# Altium PCB Spektrop2_Processor_Board_V1.PcbDoc (part 4 of 5) (continued)
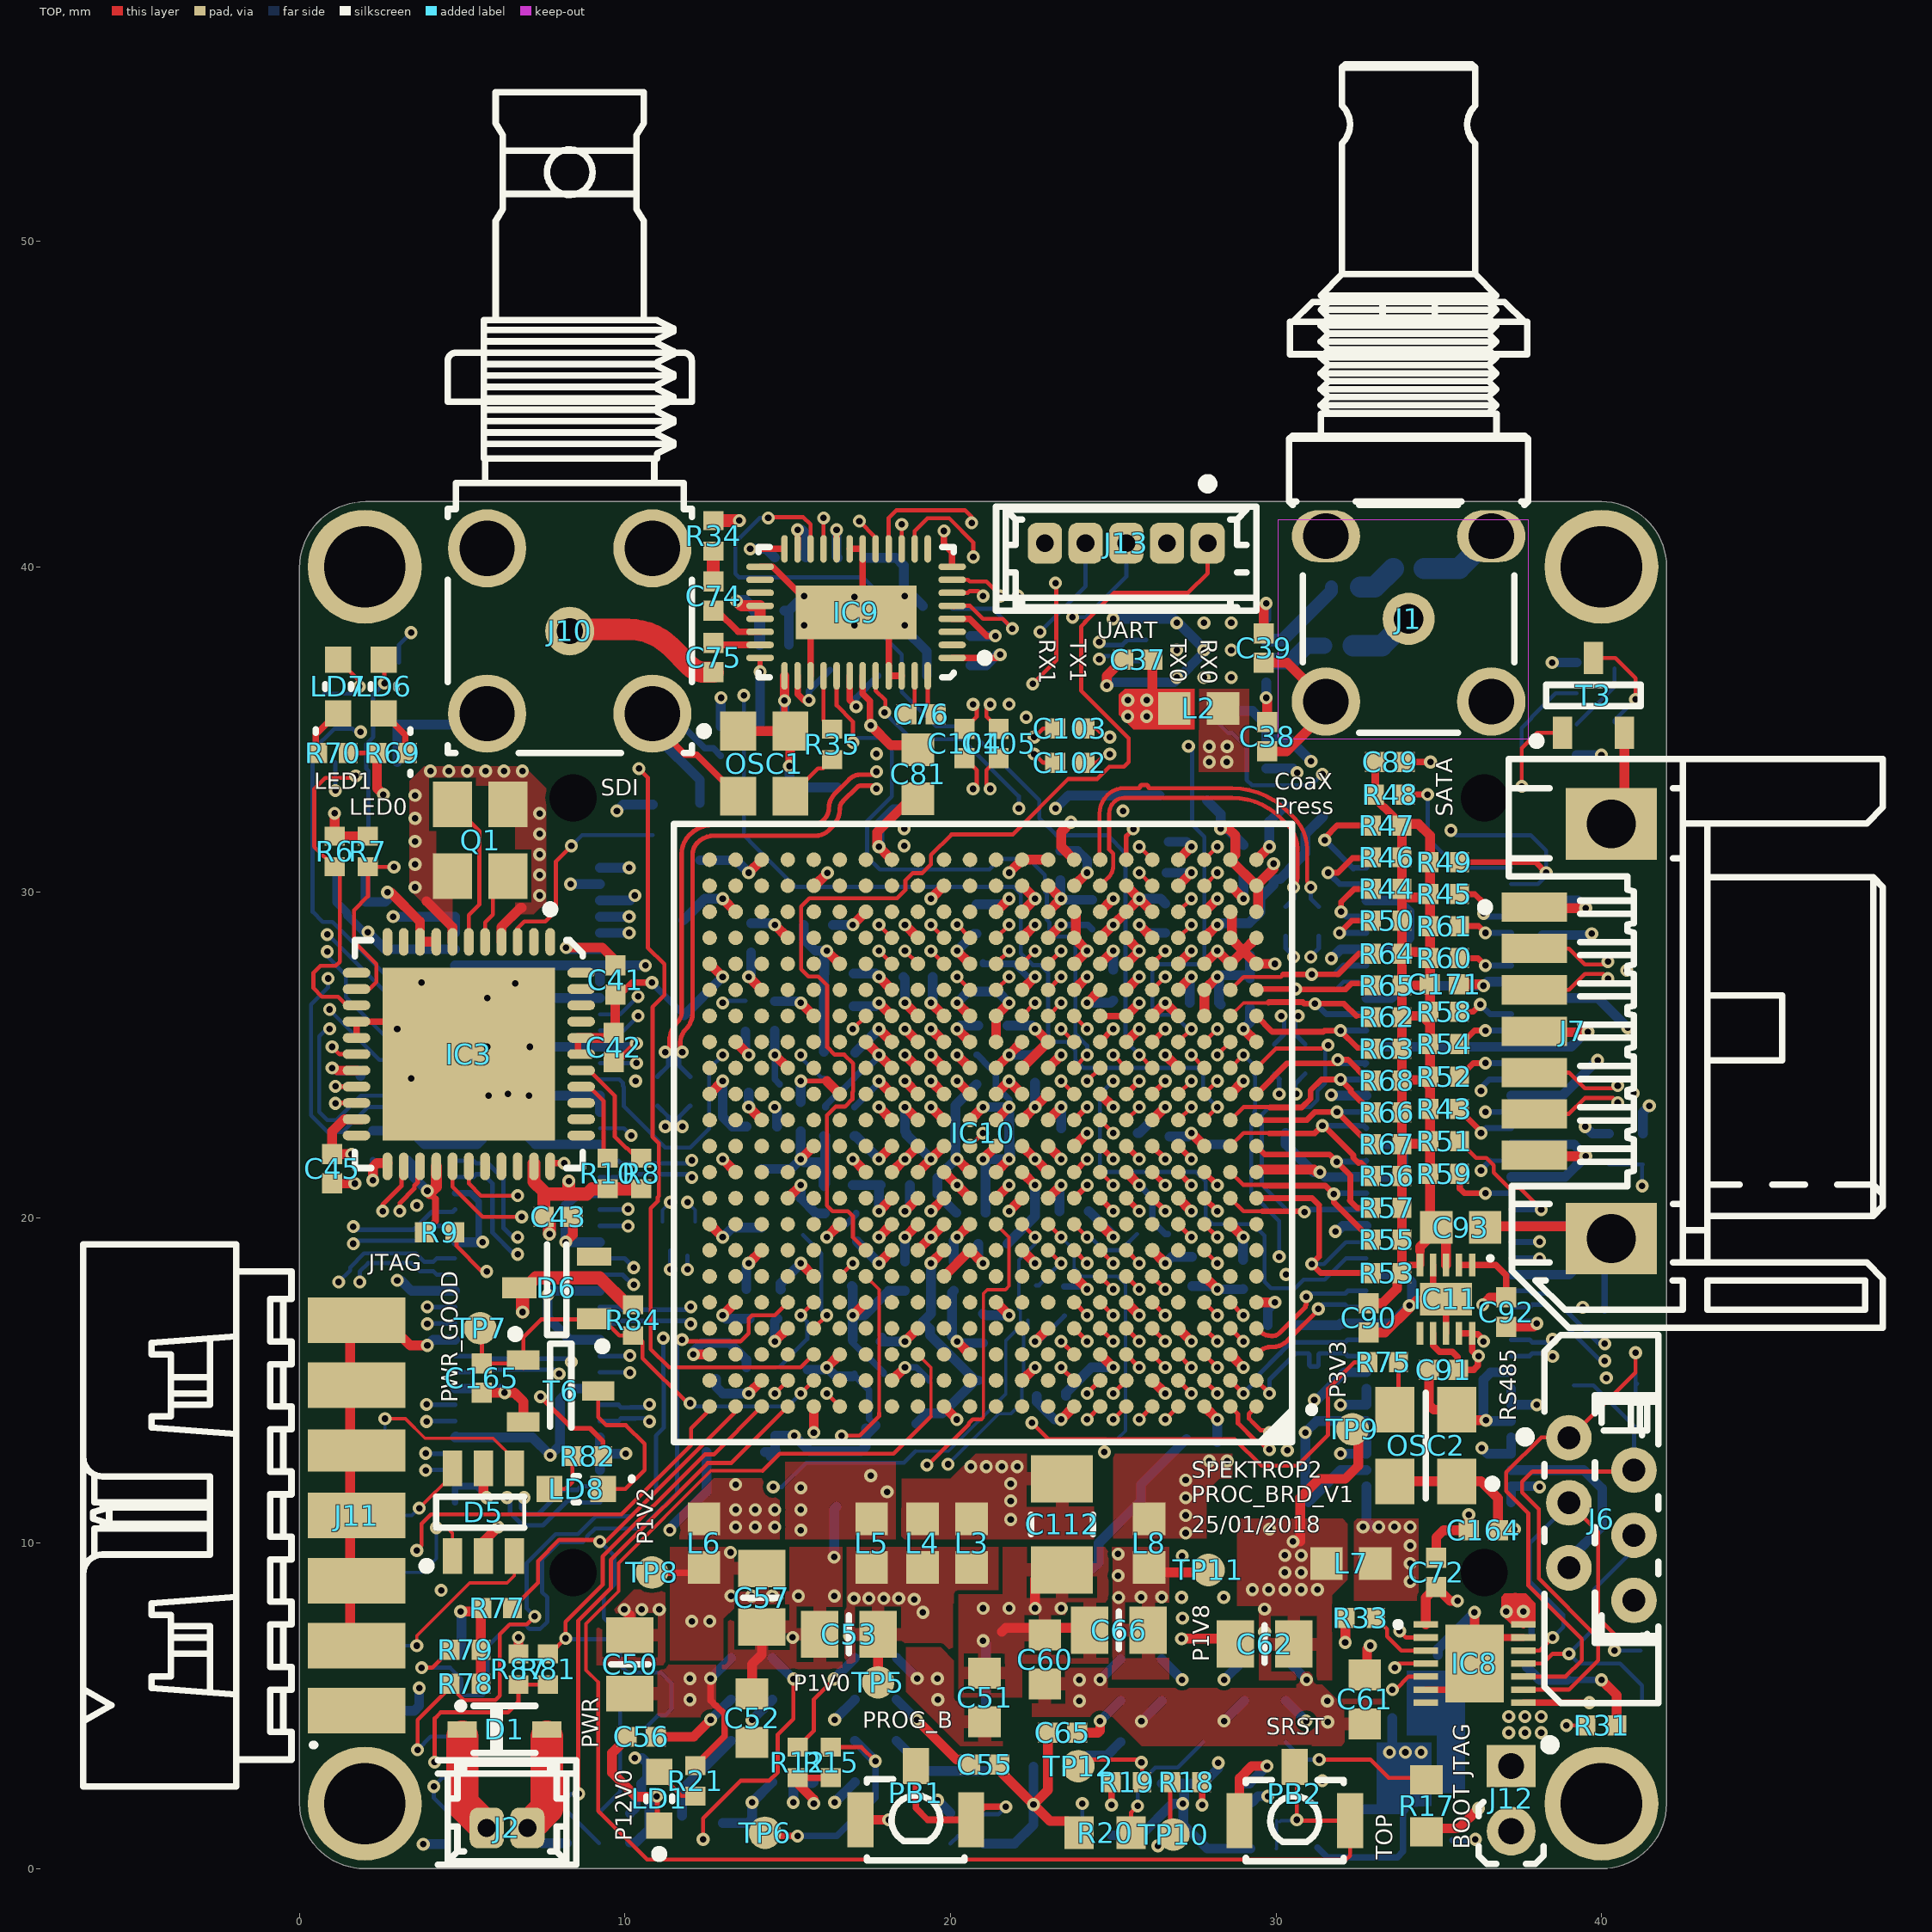
[diagram p0: TOP view]
## Nets (pads, with @x,y where several pads share a name; then routed paths per layer and width w, separated by ;. In a path a pad name is that pad's centre, name@x,y a point inside that pad or via, vN(x,y) a via of type N, cw(c..) or ccw(c..) an arc to the next point about the centre after c; other vN are vias at no path point) (continued)
NetLD8_2: LD8.2 R82.1 | length 1.6
  TOP w0.125: LD8.2@7.675,11.662 8.163,11.662 8.38,11.88 R82.1@8.38,12.675 R82.1@8.38,12.725
NetOSC1_3: OSC1.3 R35.1 | length 1.8
  TOP w0.125: OSC1.3@15.075,32.95 15.925,33.8 16.086,33.8 R35.1@16.361,34.075
NetOSC2_3: OSC2.3 R75.2 | length 1.5
  TOP w0.125: OSC2.3@33.65,14.1 33.763,14.213 R75.2@33.763,15.557
nSDO0: C74.2 R34.1 | length 0.9
  TOP w0.4: C74.2@12.712,39.55 R34.1@12.712,40.48
nSDO0_C: C74.1 IC9.26 | length 1.7
  TOP w0.2: C74.1@12.712,38.65 12.825,38.65 13.475,38 IC9.26@14.15,38
P0V9: C89.2 C90.2 C93.2 C171.2 IC11.3 IC11.5 R43.2 R44.2 R45.2 R46.2 R47.2 R48.2 R49.2 R50.2 R51.2 R52.2 R53.2 R54.2 R55.2 R56.2 R57.2 R58.2 R59.2 R60.2 R61.2 R62.2 R63.2 R64.2 R65.2 R66.2 R67.2 R68.2 | length 40
  TOP w0.2: R53.2@33.807,18.288 33.87,18.35 34.07,18.55 IC11.5@34.425,18.55 ; R53.2@33.82,18.225 33.87,18.275 R53.2@33.883,18.288
  TOP w0.25: C89.2@33.05,34 33.05,33.02 R48.2@33.03,33 33.03,32.89 33.31,32.61 33.324,32.61 33.87,32.064 R47.2@33.87,32.05 ; IC11.5@34.425,18.55 34.425,18.985
  TOP w0.3: C90.2@32.85,17.375 33.275,17.375 33.722,17.822 33.722,18.128 R53.2@33.82,18.225 ; R53.2@33.82,18.275 R53.2@33.82,18.225 ; R47.2@33.87,32.05 R46.2@33.87,31.075 R44.2@33.87,30.1 R44.2@33.87,29.838 ; R47.2@33.87,32.064 33.87,32.1 34.375,32.1 34.73,31.745 R45.2@34.73,29.838 ; 34.425,18.985 34.425,19.1 C93.2@35.025,19.7 ; IC11.3@35.225,18.55 35.225,19.5 C93.2@35.025,19.7 ; R53.2@33.82,18.225 33.87,18.275 R53.2@33.87,18.3 33.87,18.35 R57.2@33.87,20.3 R56.2@33.87,21.277 R67.2@33.87,22.254 R67.2@33.87,22.267 ; R67.2@33.87,22.267 34.551,22.267 R51.2@34.73,22.088 ; R67.2@33.87,22.267 R66.2@33.87,23.231 R68.2@33.87,24.208 R68.2@33.87,24.233 ; R68.2@33.87,24.233 34.522,24.233 R52.2@34.73,24.025 ; R68.2@33.87,24.233 R63.2@33.87,25.185 R62.2@33.87,26.162 R62.2@33.87,26.2 ; R62.2@33.87,26.2 34.492,26.2 34.73,25.963 ; R62.2@33.87,26.2 R65.2@33.87,27.138 ; R65.2@33.87,27.138 R64.2@33.87,28.115 R64.2@33.87,28.167 ; R65.2@33.87,27.138 34.492,27.138 C171.2@34.73,26.9 ; R64.2@33.87,28.167 34.463,28.167 R60.2@34.73,27.9 ; R64.2@33.87,28.167 R50.2@33.87,29.125 R44.2@33.87,29.838 ; R44.2@33.87,29.838 R45.2@34.73,29.838 ; R51.2@34.73,22.088 34.73,22.345 R52.2@34.73,24.025 ; R51.2@34.73,22.088 34.73,19.995 C93.2@35.025,19.7 ; R52.2@34.73,24.025 34.73,25.963 ; 34.73,25.963 C171.2@34.73,26.9 ; C171.2@34.73,26.9 R60.2@34.73,27.9 ; R60.2@34.73,27.9 R45.2@34.73,29.838
P1V0: C109.1 C110.1 C111.1 C112.1 C113.1 C121.1 C122.1 C123.1 C124.1 C125.1 C126.1 C127.1 C143.1 C144.1 C145.1 IC10.G15 IC10.H12 IC10.H14 IC10.J9 IC10.J11 IC10.J13 IC10.J15 IC10.K10 IC10.L9 IC10.L15 IC10.M10 IC10.N9 IC10.N15 IC10.P10 IC10.R9 IC10.R15 L3.2 L4.2 | length 21.6
  TOP w0.3: v1(17.799,18.6) IC10.G15@18.199,19 ; v1(17.799,20.2) IC10.J15@18.199,20.6 ; v1(17.799,21.8) IC10.L15@18.199,22.2 ; v1(17.799,24.2) IC10.N15@18.199,23.8 ; v1(17.799,25.8) IC10.R15@18.199,25.4 ; v1(18.599,19.4) IC10.H14@18.999,19.8 ; v1(19.399,20.2) IC10.J13@19.799,20.6 ; v1(20.199,19.4) IC10.H12@20.599,19.8 ; IC10.J11@21.399,20.6 v1(21.799,21) ; IC10.K10@22.199,21.4 v1(22.599,21) ; IC10.M10@22.199,23 v1(22.599,23.4) IC10.N9@22.999,23.8 ; IC10.P10@22.199,24.6 IC10.R9@22.999,25.4 v1(22.599,25.8) ; IC10.J9@22.999,20.6 v1(23.399,21) ; IC10.L9@22.999,22.2 v1(23.399,21.8)
  BTM w0.2: C127.1@17.05,23.4 v1@17.799,24.149 ; v1@22.597,21.002 v1(22.599,21) ; v1@23.349,21.05 v1(23.399,21)
  BTM w0.3: C125.1@16.999,21 C126.1@17.799,21 ; C122.1@17.049,22.51 17.089,22.51 v1(17.799,21.8) ; C110.1@17.075,25.075 v1(17.799,25.8) ; C123.1@17.124,19.274 v1(17.799,18.6) ; v1(17.799,20.2) C126.1@17.799,21 ; v1@17.799,24.149 v1(17.799,24.2) ; C126.1@17.85,21 C126.1@17.799,21 ; C121.1@18.599,18.65 v1(18.599,19.4) ; C113.1@20.1,18.65 20.1,19.3 v1(20.199,19.4) ; C124.1@21.75,19.2 22.597,20.047 v1@22.597,21.002 ; C144.1@21.75,25.9 22.499,25.9 v1(22.599,25.8) ; v1@22.6,23.4 C145.1@22.6,24.15 ; C111.1@23.35,20.2 23.35,20.95 v1(23.399,21)
  other v1: 21.85,10.725 21.85,11.3 21.85,11.825 20.625,12.35 21.1,12.35 21.575,12.35 22.05,12.35
P1V0_EN: IC4.D2 R12.2 | length 3.4
  TOP w0.125: R12.2@15.3,3.73 15.797,4.227 15.797,5.198 v1(16.425,5.825)
  BTM w0.3: v1@16.44,5.845 IC4.D2@17.065,6.47
P1V0_L: C53.2 C54.2 IC4.D1 IC4.E1 L3.1 L4.1 L5.1 TP5.1 | length 2.1
  TOP w0.3: TP5.1@17.775,5.725 C53.2@17.775,7.2
  TOP w0.5: L5.1@17.575,9.25 L5.1@17.7,9.125 ; L4.1@19.1,9.25 L4.1@19.137,9.213 ; L4.1@19.137,9.125 L4.1@19.137,9.213 ; L4.1@19.137,9.25 L4.1@19.137,9.213 ; L4.1@19.175,9.25 19.15,9.225 19.175,9.2 19.175,9.175 L4.1@19.137,9.213 ; L3.1@20.7,9.125 L3.1@20.7,9.25
  other v1: 16.9,7.15 19.15,7.875 18.883,8.275 17.033,8.3 17.492,8.3 17.95,8.3 18.408,8.3
P1V2: C57.2 C58.2 IC4.A1 IC4.B1 L2.1 L6.1 TP8.1 | length 1.9
  TOP w0.2: TP8.1@10.6,9.1 10.615,9.085 L6.1@12.454,9.085
  other v1: 12.05,7.6 12.6,7.6 13.255,8.38 13.89,8.375 14.525,8.38 13.24,9.716 27.95,34 28.488,34.002 27.95,34.475 28.5,34.475
P1V2_EN: IC4.B2 R18.2 TP10.1 | length 23.9
  TOP w0.125: v1(12.4,0.9) 12.4,1.55 13.55,2.7 14.425,2.7 14.691,2.966 14.691,4.116 15.175,4.6 v1(15.175,5.825) ; v1(26.375,0.7) 26.5,0.7 TP10.1@26.85,1.05 26.747,1.153 26.747,2.617 R18.2@26.78,2.65
  L2 w0.1: v1(12.4,0.9) 12.45,0.85 12.725,0.85 12.95,0.625 21.095,0.625 21.12,0.65 26.325,0.65 v1(26.375,0.7)
  BTM w0.3: IC4.B2@14.525,6.47 v1@15.15,5.845
P1V2_F: C37.1 C38.1 C39.1 IC2.9 IC2.12 L2.2 | length 4
  TOP w0.3: v1(26.031,35.902) 26.2,36.071 C37.1@26.2,37.15 ; C39.1@29.625,37.95 29.625,38.8 v1(29.7,38.875) ; v1(29.7,35.975) cw(c29.64,35.915) 29.725,35.915 C38.1@29.725,35.225
  BTM w0.3: v1(29.7,35.975) IC2.12@29.7,36.45 ; IC2.9@29.7,38.4 v1(29.7,38.875)
  other v1: 25.444,35.4 26.025,35.4 25.45,35.902
P1V8: C40.1 C41.2 C42.2 C43.2 C44.2 C45.2 C72.2 C77.2 C79.2 C80.2 C81.2 C82.2 C83.2 C92.1 C114.1 C115.1 C116.1 C120.1 C128.1 C129.1 C130.1 C140.1 C141.1 C142.1 C152.1 C153.1 C154.1 C155.1 C156.1 C157.1 C158.1 C159.1 C160.1 C161.1 C164.1 C167.1 D6.3 IC2.13 IC3.21 IC3.26 IC3.32 IC3.39 IC3.40 IC8.1 IC9.4 IC9.16 IC9.20 IC9.29 IC9.35 IC10.A13 IC10.B10 IC10.B20 IC10.C17 IC10.D14 IC10.E11 IC10.E21 IC10.F18 IC10.H2 IC10.H22 IC10.J19 IC10.K6 IC10.K14 IC10.K16 IC10.L3 IC10.L13 IC10.M14 IC10.M20 IC10.N7 IC10.N13 IC10.N17 IC10.P4 IC10.P12 IC10.P14 IC10.R1 IC10.R11 IC10.R13 IC10.R21 IC10.T11 IC10.T12 IC10.T14 IC10.T15 IC10.V22 IC11.1 IC11.2 IC12.8 J11.2 J12.2 L8.2 L9.2 L12.1 OSC1.1 OSC1.4 OSC2.1 OSC2.4 R6.1 R7.1 R8.1 R9.1 R10.2 R11.2 R33.2 R37.1 R40.2 R41.2 R42.2 R72.1 R83.2 R84.2 R85.1 R86.1 | length 115.4
  TOP w0.15: v1(15.399,24.2) 16.199,24.2
  TOP w0.2: R9.1@3.83,19.55 4.175,19.895 4.175,20.575 4,20.75 v1(3.925,20.825) ; IC3.26@4.2,21.575 IC3.26@4.2,21.675 ; IC3.39@8.55,25.025 IC3.40@8.55,25.525 ; C42.2@9.7,25.675 C42.2@9.7,25.776 ; C41.2@9.7,26.85 9.849,26.85 10.224,27.225 v1(10.825,27.225) ; v1(13.844,40.55) IC9.20@14.9,40.55 ; OSC1.4@14.9,35.125 v1(14.9,35.888) ; IC9.16@16.5,40.55 v1(16.5,41.135) ; IC9.35@17.3,36.65 17.3,36.101 17.525,35.876 17.525,35.15 v1(17.55,35.125) ; C81.2@18.688,34.512 C81.2@19,34.2 ; IC9.4@20.05,38.4 20.593,38.4 21.121,37.872 21.124,37.875 v1(21.375,37.875) ; IC11.2@35.625,18.55 IC11.1@36.025,18.55 36.75,18.55 37.075,18.225 C92.1@37.075,17.55
  TOP w0.3: v1(1.075,32.425) R6.1@1.075,31.72 R7.1@2.1,31.72 ; v1(1.6,21.951) v1(1.6,21.951) C45.2@1,21.95 1,22.651 1.374,23.025 IC3.21@1.75,23.025 IC3.21@1.9,23.025 ; IC3.40@8.55,25.525 IC3.40@8.65,25.525 C42.2@9.52,25.525 ; C42.2@9.542,25.546 C42.2@9.52,25.525 ; 9.697,26.528 9.697,25.546 9.675,25.525 C42.2@9.52,25.525 ; IC10.H22@12.599,19.8 v1(12.999,19.4) ; IC10.V22@12.599,27.8 v1(12.999,27.4) ; v1(12.999,17) IC10.E21@13.399,17.4 ; IC10.R21@13.399,25.4 v1(13.799,25) ; OSC1.1@13.475,34.95 OSC1.4@15.075,34.95 ; v1(13.799,14.6) IC10.B20@14.199,15 ; v1(13.799,23.4) IC10.M20@14.199,23 ; OSC1.4@14.9,35.125 OSC1.4@15.075,34.95 ; v1(14.9,35.888) IC9.29@14.9,36.65 ; IC10.J19@14.999,20.6 v1(15.399,21) ; v1(15.05,33.875) 15.075,33.9 OSC1.4@15.075,34.95 ; v1(15.4,18.6) IC10.F18@15.799,18.2 ; v1(16.199,15.4) IC10.C17@16.599,15.8 ; 16.199,24.2 IC10.N17@16.599,23.8 ; v1(16.999,21.8) IC10.K16@17.399,21.4 ; v1(17.55,35.125) 18.163,34.512 C81.2@18.688,34.512 ; v1(17.799,26.6) IC10.T15@18.199,26.2 ; v1(18.599,16.2) IC10.D14@18.999,16.6 ; v1(18.599,23.4) IC10.M14@18.999,23 ; v1(18.599,25) IC10.P14@18.999,24.6 ; v1(18.599,26.6) IC10.T14@18.999,26.2 ; IC10.K14@18.999,21.4 v1(19.399,21.8) IC10.L13@19.799,22.2 ; v1(19.399,24.2) IC10.N13@19.799,23.8 ; v1(19.399,25.8) IC10.R13@19.799,25.4 ; IC10.A13@19.799,14.2 19.799,14.196 v1(20.196,13.798) ; v1(20.199,25) IC10.P12@20.599,24.6 ; v1(20.199,26.6) IC10.T12@20.599,26.2 ; IC10.E11@21.399,17.4 v1(21.799,17) ; IC10.R11@21.399,25.4 IC10.T11@21.399,26.2 v1(21.799,26.6) ; IC10.B10@22.199,15 v1(22.599,15.4) ; IC10.N7@24.599,23.8 v1(24.999,23.4) ; IC10.K6@25.399,21.4 v1(25.799,21) ; v1(26.599,25) IC10.P4@26.999,24.6 ; v1(27.399,22.6) IC10.L3@27.799,22.2 ; v1@28.475,12.45 v1@28.5,12.475 ; IC10.H2@28.599,19.8 v1(28.999,19.4) ; v1(28.999,25.8) IC10.R1@29.399,25.4 ; v1(32.125,6.95) 32.13,6.955 R33.2@32.13,7.7 ; OSC2.4@33.65,11.9 OSC2.1@35.55,11.9 36.3,11.9 36.825,11.375 C164.1@36.825,10.4 37.3,10.4 v1(37.325,10.425) ; IC8.1@34.6,7.5 34.6,8.325 C72.2@34.925,8.65 35.35,8.225 v1(35.575,8.225) ; v1(36.35,17.325) 36.575,17.55 C92.1@37.075,17.55
  TOP w0.35: v1@4,20.75 4.2,20.95 IC3.26@4.2,21.575
  TOP w0.4: v1(6.85,17.1) 6.85,17.75 7.25,18.15 9.225,18.15 10.055,17.32 R84.2@10.25,17.32 R84.2@10.275,17.32 ; IC3.32@7.2,21.675 IC3.32@7.2,21.575 7.2,21.105 7.5,20.805 ; C43.2@7.475,20.05 C43.2@7.5,20.025 ; v1(7.679,19.496) 7.679,19.846 C43.2@7.5,20.025 ; v1(8.275,21.125) 8.275,20.725 ; R8.1@10.491,20.885 R10.2@9.471,20.885 8.985,20.885 8.825,20.725 8.275,20.725 ; C43.2@7.5,20.025 7.5,20.805 ; 7.5,20.805 7.58,20.725 8.275,20.725
  BTM w0.2: v1(10.825,27.225) 10.825,27.208 C156.1@11.696,26.337 C156.1@11.816,26.217 ; v1@12.944,35.969 v1(12.95,35.975) ; C82.2@14.9,35.169 C82.2@14.909,35.16 ; C161.1@17.05,15.2 17.05,15.15 17.5,14.7 17.5,13.82 L12.1@17.7,13.62 ; v1(25.799,21) 26.199,20.6 26.199,19.914 26.22,19.893 26.22,19.875 26.595,19.5 R42.2@26.67,19.5
  BTM w0.3: J11.2@1.55,4.85 3.525,4.85 3.675,5 v1(3.675,5.55) ; C44.2@3.3,21.775 3.475,21.6 3.475,21.275 v1(3.925,20.825) ; v1(9.75,32.5) 9.945,32.695 R11.2@10.85,32.695 ; C167.1@10.15,1.7 10.325,1.875 10.325,2.176 10.5,2.351 10.5,2.61 IC12.8@10.675,2.785 10.675,3.25 10.525,3.4 v1(10.3,3.4) ; C156.1@11.816,26.217 v1(12.999,27.4) ; C155.1@12.8,15.05 12.8,14.8 13,14.6 v1(13.799,14.6) ; C77.2@12.944,35.092 v1@12.944,35.969 ; v1(12.999,19.4) 13.299,19.7 C120.1@14.199,19.7 ; v1@13.012,16.987 v1(12.999,17) v1@13.024,16.975 ; v1@13.024,17 v1@13.024,16.975 ; R37.1@13.7,25.723 13.7,25.098 v1(13.799,25) ; v1(13.799,23.4) C154.1@13.799,23.849 ; C153.1@13.824,16.9 C153.1@13.724,16.9 13.099,16.9 v1@13.024,16.975 ; v1(13.844,40.55) 14.337,40.55 C83.2@14.606,40.281 ; C114.1@14.3,12.8 C114.1@14.612,12.8 ; C114.1@14.475,12.775 14.475,12.663 C114.1@14.612,12.8 ; C114.1@14.637,12.825 C114.1@14.612,12.8 ; C160.1@14.786,17.8 14.779,17.792 14.779,17.979 v1(15.4,18.6) ; C82.2@14.888,35.157 14.9,35.169 v1(14.9,35.888) ; v1(15.05,33.875) 15.05,33.4 15.225,33.225 C140.1@16.525,33.225 ; v1(15.399,21) 15.399,20.601 15.868,20.132 R85.1@16.132,20.132 ; C130.1@15.4,23.55 v1(15.399,24.2) ; R86.1@15.6,15.33 16.13,15.33 v1(16.199,15.4) 16.473,15.126 C161.1@16.999,15.126 ; v1(16.5,41.135) 16.5,40.316 C80.2@16.539,40.277 ; C158.1@17.014,26.5 17.699,26.5 v1(17.799,26.6) ; L12.1@17.37,13.291 L12.1@17.396,13.316 ; L12.1@17.396,13.524 L12.1@17.396,13.316 ; L12.1@17.7,13.62 L12.1@17.396,13.316 ; C141.1@17.849,16.2 C141.1@17.899,16.2 ; C141.1@17.899,16.31 C141.1@17.899,16.2 ; C129.1@18.55,27.4 18.599,27.351 v1(18.599,26.6) ; v1(18.599,16.2) C141.1@17.899,16.2 ; v1(18.599,23.4) 18.599,22.65 18.649,22.6 18.649,22.55 v1(19.399,21.8) ; v1(20.199,26.6) 20.55,26.95 C157.1@21,26.95 21.449,26.95 v1(21.799,26.6) ; C79.2@20.614,37.872 20.617,37.875 v1(21.375,37.875) ; C142.1@20.999,17.05 21.049,17 v1(21.799,17) ; C128.1@26.725,22.5 27.3,22.5 v1(27.399,22.6) 27.749,22.25 C152.1@28.5,22.25 ; IC2.13@28.825,35.575 29.275,35.575 29.7,35.15 C40.1@29.7,34.7 ; C115.1@28.993,18.709 28.993,19.393 v1(28.999,19.4) ; v1(28.999,25.8) 29.199,26 C116.1@29.199,26.45 ; R83.2@29.08,1.475 29.08,1.88 29.245,2.045 29.268,2.045 29.448,2.225 v1(29.75,2.225) ; C40.1@29.7,34.6 C40.1@29.7,34.7 ; v1(31.075,34.025) 30.4,34.7 C40.1@29.7,34.7 ; v1(38.485,37.057) R41.2@39.242,37.057 ; v1(39.5,22.8) 39.719,22.581 R72.1@40.231,22.581 ; C114.1@14.612,12.8 14.612,13.3 v1(15.2,13.3) 15.675,12.825 17.25,12.825 17.396,12.971 L12.1@17.396,13.316 ; v1(19.6,2.1) R40.2@19.995,1.705 v1(19.6,2.1)
  other v1: 27.225,10.31 27.225,10.853 27.225,11.396 27.225,11.939 27.95,12.525 28.5,12.525
P1V8_EN: IC4.D4 IC5.B2 R15.2 TP6.1 | length 19.2
  TOP w0.125: R15.2@16.319,3.73 17.265,3.73 v1(17.69,3.305)
  TOP w0.2: TP6.1@14.301,1.1 14.401,1 v1(15.3,1)
  L2 w0.1: v1(17.69,3.305) 25.237,3.305 27.115,5.183 v1(27.115,5.805)
  BTM w0.2: v1(15.3,1) 16.51,1 17.69,2.18 v1(17.69,3.305)
  BTM w0.3: IC4.D4@17.065,3.93 v1(17.69,3.305) ; IC5.B2@26.49,6.43 v1(27.115,5.805)
P1V8_L: C66.2 C67.2 IC5.A1 IC5.B1 L8.1 TP11.1 | length 1.9
  TOP w0.3: L8.1@26.1,9.25 26.25,9.1 27.85,9.1 TP11.1@27.925,9.175
  other v1: 25.165,8.332 25.855,8.34 26.49,8.34 25.15,9 25.15,9.668
P2V5: C137.1 C138.1 C139.1 C147.1 C148.1 C149.1 IC10.A3 IC10.C7 IC10.D4 IC10.E1 IC10.F8 IC10.G5 R91.2 | length 11.8
  TOP w0.3: IC10.F8@23.799,18.2 v1(24.199,17.8) ; IC10.C7@24.599,15.8 v1(24.999,15.4) ; IC10.G5@26.199,19 v1(26.599,18.6) ; IC10.D4@27,16.601 v1(27.4,16.201) ; IC10.A3@27.799,14.2 v1(28.199,13.8) ; IC10.E1@29.399,17.4 v1(29.965,17.4)
  BTM w0.2: C138.1@23.5,17.885 24.114,17.885 v1(24.199,17.8)
  BTM w0.3: v1(23.225,32.575) 23.625,32.975 C137.1@26.425,32.975 ; C139.1@23.55,14.525 23.55,14.622 24.327,15.4 v1(24.999,15.4) ; v1(26.599,18.6) 26.8,18.8 C149.1@27.425,18.8 ; C147.1@28.199,13.104 v1(28.199,13.8) ; C148.1@29.749,16.7 29.749,17.184 v1(29.965,17.4)
  other v1: 37.15,4.175 37.65,4.175 38.15,4.175 37.15,4.675 37.65,4.675 38.15,4.675
P2V5_R: C169.2 C170.2 IC13.4 R91.1 TP16.1 | length 1.7
  BTM w0.3: C169.2@34.975,5.64 35.26,5.925 TP16.1@36.575,5.925
P3V3: C46.2 C47.2 C48.2 C49.2 C73.2 C86.2 C87.2 C91.2 C168.2 IC3.8 IC3.9 IC3.18 IC3.23 IC8.14 IC9.24 IC9.25 IC11.7 IC11.9 IC11.10 IC13.1 IC13.3 IC13.6 J9.65 J9.66 J9.67 J9.68 J9.71 J9.72 J9.73 J9.74 J9.77 J9.78 J9.79 J9.80 L7.2 R39.2 R69.2 R70.2 R82.2 | length 32.8
  TOP w0.15: R70.2@1.425,34.275 R70.2@1.5,34.275 2.305,34.275 R69.2@2.3,34.27 ; v1(7.4,14.5) 8.375,13.525 8.925,13.525 9.32,13.13 R82.2@9.32,12.85
  TOP w0.2: IC11.7@34.825,16.45 34.825,16.075 35.025,15.875 35.425,15.875 35.575,15.725 C91.2@35.575,15.4 ; C91.2@35.6,15.325 36.075,15.325 36.2,15.45 v1@36.2,15.75 ; IC11.9@35.625,16.45 35.975,16.45 36,16.425 IC11.10@36.025,16.425 ; IC11.10@36.025,16.45 IC11.10@36.025,16.425 ; v1@36.175,15.75 36.025,15.9 IC11.10@36.025,16.425 ; v1@36.375,16.25 36.2,16.425 IC11.10@36.025,16.425
  TOP w0.25: IC8.14@37.6,7.5 v1(37.6,7.9)
  TOP w0.3: v1@1.075,24.6 1.15,24.525 IC3.18@1.75,24.525 ; v1(2.25,21.15) 2.25,21.55 2.375,21.675 IC3.23@2.7,21.675 ; R69.2@2.38,34.275 2.38,33.195 v1(2.575,33) ; v1(2.7,30) 2.797,30 3.7,29.097 IC3.9@3.7,28.475 IC3.8@4.2,28.475 ; v1@37.1,7.9 37.35,8.15 37.35,8.325 ; v1@37.1,7.9 v1(37.6,7.9) 37.6,8.075 37.35,8.325 ; v1@37.1,7.9 v1(37.075,7.9) 37.075,8.05 37.35,8.325
  TOP w0.35: v1(13.426,38.952) 13.578,38.8 IC9.24@14.15,38.8 14.15,38.5
  BTM w0.2: v1(2.25,21.15) C49.2@2.25,21.775 ; IC13.6@35.425,0.875 36.1,0.875 v1(36.125,0.9) ; v1(37.6,7.9) 37.85,7.65 C73.2@37.85,7.156
  BTM w0.3: v1@1.075,24.6 1.162,24.512 1.875,24.512 C48.2@1.875,24.35 ; C46.2@2.025,30.725 C47.2@2.025,29.7 2.625,29.7 2.7,29.775 v1(2.7,30) ; v1(31.985,12.75) J9.74@32.775,12.75 J9.72@32.775,13.25 ; v1(31.985,14.25) J9.68@32.775,14.25 J9.66@32.775,14.75 ; J9.78@32.775,11.75 J9.80@32.775,11.25 32.775,10.675 32.95,10.5 ; v1(36.325,12.925) 36.5,12.75 J9.73@37.225,12.75 J9.71@37.225,13.25 ; J9.79@37.225,11.25 J9.77@37.225,11.75 38.075,11.75 v1(38.098,11.727) ; J9.65@37.225,14.75 J9.67@37.225,14.25 v1(38.015,14.25) ; R39.2@39.242,34.217 v1(39.999,34.217)
  BTM w0.35: v1(13.426,38.952) 13.693,38.952 C86.2@13.997,38.649 ; C87.2@14.134,37.61 C86.2@14.134,38.617 ; C86.2@13.997,38.649 13.997,38.617 14.102,38.617 C86.2@14.134,38.649 C86.2@13.997,38.649
  other v1: 31.425,2.7 34.125,8.825 34.125,9.375 34.125,9.925 32.675,10.5 33.158,10.5 33.642,10.5 34.125,10.5 36.225,15.75 36.375,16.2 0.999,24.6
P3V3_EN: IC5.D2 R19.2 TP12.1 | length 7.1
  TOP w0.125: TP12.1@23.925,3.15 24.125,3.35 25.78,3.35 v1(25.865,3.265) 25.885,3.245 R19.2@25.885,2.66
  L2 w0.1: v1(25.865,3.265) 26.71,4.11 v1(28.405,5.805)
  BTM w0.3: v1(28.405,5.805) IC5.D2@29.03,6.43
P3V3_L: C62.2 C63.2 IC5.D1 IC5.E1 L7.1 TP9.1 | length 4.8
  TOP w0.3: 30.75,10.05 30.75,11.4 31.325,11.975 32.125,11.975 32.525,12.375 32.525,13.35 TP9.1@32.35,13.525
  other v1: 29.65,7.275 29.65,7.975 29.275,8.575 29.775,8.575 30.275,8.575 30.775,8.575 31.275,8.575 30.275,9.1 30.775,9.1 30.275,9.625 30.775,9.625 30.525,10.05 29.8,10.425
P12V0: C50.2 C51.2 C52.2 C59.2 C60.2 C61.2 D1.1 IC4.A2 IC4.B3 IC4.D3 IC4.E2 IC5.A2 IC5.B3 IC5.D3 IC5.E2 J2.1 R12.1 R15.1 R18.1 R19.1 R21.2 | length 17.7
  TOP w0.2: R21.2@12.16,3.17 13.055,4.065 13.055,4.751 12.806,5 12.8,5 12.63,5.17 v1(12.63,5.845) ; R12.1@15.185,2.79 R12.1@15.3,2.79 R15.1@16.319,2.79 ; v1(24.945,1.955) R19.1@24.945,2.66 ; v1(27.73,1.955) R18.1@27.73,2.66
  TOP w0.3: C52.2@13.9,3.817 C52.2@13.9,3.875 v1(13.9,4.567) ; R12.1@15.3,2.79 15.3,2.625 15.8,2.125 v1(15.8,2)
  TOP w1: D1.1@5,4.05 5,2 J2.1@5.75,1.25
  BTM w0.3: v1(12.63,5.845) IC4.A2@13.255,6.47 ; v1(13.9,4.567) IC4.B3@14.525,5.192 ; v1(16.44,4.575) IC4.D3@17.065,5.2 ; IC4.E2@18.35,6.47 v1(18.975,5.845) ; v1(24.595,5.805) IC5.A2@25.22,6.43 ; v1(25.865,4.527) IC5.B3@26.49,5.152 ; v1(28.405,4.535) IC5.D3@29.03,5.16 ; IC5.E2@30.315,6.43 v1(30.94,5.805)
  other v1: 31.591,4.504 23.959,5.152 31.576,5.152 11.994,5.192 19.611,5.192 23.959,5.8 11.994,5.84 19.596,5.84
Power_Good: C165.1 D6.1 IC10.B18 R84.1 T6.1 TP7.1 | length 14.3
  TOP w0.125: TP7.1@5.55,16.6 5.6,16.55 C165.1@5.6,15.525 6.775,15.525 T6.1@6.875,15.625 ; T6.1@6.875,15.375 T6.1@6.875,15.625 ; v1(12,14.3) 11.923,14.3 10.538,15.686 10.538,16.192 10.35,16.38 R84.1@10.25,16.38 9.82,16.38 9.325,16.875 7.425,16.875 6.875,16.325 T6.1@6.875,15.625 ; v1(15.399,14.6) IC10.B18@15.799,15
  BTM w0.125: v1(12,14.3) 12.1,14.2 15,14.2 v1(15.399,14.6)
PROGRAM_B: C88.2 IC10.V10 PB1.1 PB1.3 R40.1 | length 69
  TOP w0.125: IC10.V10@22.199,27.8 v1(22.599,28.2)
  TOP w0.2: PB1.3@18.935,3.15 18.935,1.865 19.3,1.5 PB1.1@20.635,1.5 21.035,1.9 v1(21.7,1.9)
  L2 w0.1: v1(4.35,8.55) 4.35,9.65 3.05,10.95 3.05,17.595 3.58,18.125 5.211,18.125 5.511,17.825 5.825,17.825 6.125,18.125 6.125,21.675 7.225,22.775 8.65,24.2 v1@10.25,24.2
  L5 w0.1: v1(4.35,8.55) 4.35,5.144 7.7,1.794 7.7,1.743 8.943,0.5 19.697,0.5 21.097,1.9 v1(21.7,1.9) ; v1(10.325,24.2) v1@10.33,24.2 ; v1@10.45,24.2 v1@10.33,24.2 ; v1(22.599,28.2) 22.299,28.2 21.949,27.85 21.573,27.85 21.32,27.596 21.32,26.064 20.637,25.381 14.819,25.381 13.25,26.95 12.175,26.95 10.8,25.575 10.8,24.67 v1@10.33,24.2
  BTM w0.125: R40.1@19.995,0.765 20.227,0.997 20.352,0.997 C88.2@21.025,1.67 21.47,1.67 v1(21.7,1.9)
PS_CLK: IC10.F16 R75.1 | length 24.9
  TOP w0.1: IC10.F16@17.399,18.2 17.805,17.794 17.805,14
  TOP w0.125: v1(16.65,13.3) 17.21,13.3 17.805,13.895 17.805,14 ; v1(22.5,13.7) 23,13.2 28.729,13.2 29.554,12.375 30.65,12.375 31.598,13.323 31.598,14.748 32.407,15.557 R75.1@32.823,15.557
  L2 w0.1: v1(16.65,13.3) 20.275,13.3 20.675,13.7 v1(22.5,13.7)
PS_MIO7_VMODE0: IC10.D18 R85.2 R89.1 | length 3.3
  TOP w0.125: IC10.D18@15.799,16.6 v1(16.199,17)
  BTM w0.125: R85.2@15.468,19.468 16.03,18.905 R89.1@16.03,17.9 16.03,17.169 v1(16.199,17)
PS_MIO8_VMODE1: IC10.E18 R86.2 R88.1 | length 2.7
  TOP w0.125: v1(15.399,17) IC10.E18@15.799,17.4
  BTM w0.125: R88.1@14.67,15.4 14.73,15.4 R86.2@15.6,16.27 15.6,16.799 v1(15.399,17)
PS_SRST_B: C166.1 IC10.C14 PB2.1 PB2.3 R83.1 | length 51.3
  TOP w0.1: 9.175,5.725 8.8,6.1 8.8,7.52 9.8,8.52 9.8,9.388 12.637,12.225 14.225,12.225 ; IC10.C14@18.999,15.8 19.399,15.4 19.399,14.383 19.399,13.899 ; PB2.3@30.575,3.125 30.575,2.85 PB2.3@30.64,2.785
  TOP w0.125: 9.175,5.725 9.175,1.775 10.675,0.275 32.15,0.275 32.275,0.4 PB2.1@32.275,1.475 v1@30.64,1.475 ; 14.225,12.225 14.75,12.75 18.25,12.75 19.399,13.899 ; v1(30.64,1.5) PB2.3@30.64,2.785
  BTM w0.1: C166.1@30.015,0.616 30.02,0.621 R83.1@30.02,1.475 ; R83.1@30.115,1.44 30.15,1.475 30.615,1.475 v1(30.64,1.5)
PUDC_B: IC10.K7 R72.2 R73.1 | length 19.8
  TOP w0.125: IC10.K7@24.599,21.4 v1(24.999,21)
  L2 w0.1: v1(24.999,21) 25.154,21 25.504,20.65 28.425,20.65 28.55,20.525 29.925,20.525 30.65,19.8 31.15,19.8 31.325,19.975 32.3,19.975 32.625,19.65 37,19.65 38.35,21 41.225,21 v1(41.25,20.975)
  BTM w0.125: R72.2@40.231,21.641 R73.1@41.271,21.641 41.25,21.62 v1(41.25,20.975)
QSPI_CLK_BOOT_MODE4: IC10.A19 R80.1 R90.1 | length 17.2
  TOP w0.125: v1(8.575,2.3) 8.575,2.35 8.563,2.362 8.563,7.618 9.563,8.618 9.563,9.486 9.863,9.786 12.539,12.463 13.262,12.463 IC10.A19@14.999,14.2
  BTM w0.125: v1(8.575,2.3) 8.35,2.3 8.215,2.165 R80.1@8.215,1.72 8.26,1.72 R90.1@9.2,0.78
QSPI_CLK_BOOT_MODE4_R: IC12.6 R90.2 | length 4.6
  BTM w0.125: R90.2@9.2,1.72 9.85,2.37 9.85,5.125 10.075,5.35 10.1,5.325 IC12.6@10.675,5.325
QSPI_DQ0_BOOT_MODE3: IC10.A21 IC12.5 R77.1 | length 14.8
  TOP w0.125: R77.1@6.545,7.9 R77.1@6.545,8 7.325,8.78 7.325,9.45 7.975,10.1 9.175,10.1 v1(9.225,10.05) 9.411,10.05 13.399,14.038 IC10.A21@13.399,14.2
  BTM w0.125: v1(9.225,10.05) 9.232,10.05 9.675,9.607 9.675,8.731 9.35,8.406 9.35,7.7 9.65,7.4 10.4,7.4 10.675,7.125 IC12.5@10.675,6.595
QSPI_DQ1_BOOT_MODE1: IC10.F17 IC12.2 R78.1 | length 32
  TOP w0.125: v1(3.625,3.65) 3.625,4.57 4.64,5.585 5.048,5.177 6.018,5.177 6.15,5.309 6.15,7.2 6.452,7.502 6.977,7.502 v1(7.225,7.75) ; IC10.F17@16.599,18.2 v1(16.999,18.6)
  L2 w0.1: v1(11.175,16.3) 10.955,16.3 10.391,16.864 10.038,16.864 9.415,17.486 9.415,18.29 9.968,18.843 10.422,18.843 10.441,18.825 13.237,18.825 13.369,18.956 13.369,18.992 13.377,19 15.575,19 15.975,18.6 v1(16.999,18.6)
  BTM w0.125: v1(3.625,3.65) 4.03,4.055 IC12.2@4.975,4.055 ; v1(7.225,7.75) 6.975,8 6.975,9.379 7.871,10.275 8.548,10.275 9.098,10.825 10.186,10.825 10.95,11.589 10.95,13.304 11.188,13.541 11.188,15.014 11.175,15.002 v1(11.175,16.3)
QSPI_DQ2_BOOT_MODE2: IC10.E19 IC12.3 R79.1 | length 23.3
  TOP w0.125: v1(3.75,6.175) 4.08,6.175 R79.1@4.63,6.725 R79.1@4.73,6.725 ; v1(11.75,16.25) 11.8,16.2 13.55,16.2 13.799,16.449 13.799,16.9 13.899,17 14.599,17 IC10.E19@14.999,17.4
  BTM w0.125: v1(3.75,6.175) 4.625,6.175 4.975,5.825 IC12.3@4.975,5.325 5.625,5.325 5.775,5.475 5.775,6.825 6.438,7.488 6.939,7.488 7.064,7.362 7.386,7.362 7.613,7.589 7.613,8.337 7.45,8.5 7.45,9.5 7.975,10.025 8.704,10.025 8.837,10.159 8.837,10.211 9.077,10.45 10.5,10.45 11.6,11.55 11.6,16.1 v1(11.75,16.25)
QSPI_DQ3_BOOT_MODE0: IC10.A20 IC12.7 R81.1 | length 16.8
  TOP w0.125: R81.1@7.625,6.595 7.695,6.595 v1(8.175,7.075) 8.175,7.585 8.778,8.187 9.313,8.722 9.313,9.589 12.448,12.725 12.725,12.725 IC10.A20@14.199,14.2
  BTM w0.125: v1(8.175,7.075) 8.2,7.05 9.575,7.05 9.85,6.775 9.85,6.25 10.075,6.025 11.1,6.025 11.425,5.7 11.425,4.95 11.45,4.925 11.232,4.707 11.007,4.707 10.675,4.375 IC12.7@10.675,4.055
QSPI_nCS: IC10.A22 IC12.1 R76.1 | length 22.1
  TOP w0.125: v1(3.6,9.775) 3.75,9.925 3.75,10.6 4.038,10.888 9.895,10.888 12.025,13.018 12.025,13.525 12.599,14.099 IC10.A22@12.599,14.2
  L5 w0.1: v1(3.6,9.775) 2.661,8.836 2.661,5.464 4.525,3.6 4.525,2.925 v1(4.125,2.525)
  BTM w0.125: R76.1@4.6,1.695 4.125,2.17 v1(4.125,2.525) 4.385,2.785 IC12.1@4.975,2.785
RS485_RX: IC8.2 IC10.P1 | length 39.8
  TOP w0.125: IC10.P1@29.399,24.6 30,25.2 31.4,25.2 31.5,25.3 v1(31.6,25.3) ; v1(30.308,18.255) v1@30.453,18.255 ; v1(33.8,7.3) 34,7.1 IC8.2@34.6,7.1
  L2 w0.1: v1(30.308,18.255) 30.363,18.2 38.107,18.2 38.358,17.95 39.825,17.95 41.5,16.275 41.5,14.1 40,12.6 40,10.8 39.45,10.25 38.309,10.25 38,9.941 38,7.45 37.85,7.3 v1(33.8,7.3)
  BTM w0.125: v1(30.308,18.255) 30.488,18.434 30.488,20.087 29.562,21.013 29.562,23.163 29.798,23.398 29.798,23.4 31.05,23.4 31.275,23.625 31.275,23.898 31.512,24.136 31.512,25.212 v1(31.6,25.3)
RS485_RX_A: D4.1 IC8.12 J6.3 R32.1 | length 14.3
  TOP w0.125: IC8.12@37.6,6.7 38.1,6.7 v1(38.5,7.1) ; J6.3@39,11.241 39.9,10.341 39.9,7.7 40.4,7.2 v1(40.4,6.7)
  L2 w0.1: v1(38.5,7.1) 40,7.1 v1(40.4,6.7)
  BTM w0.125: v1(38.5,7.1) 38.83,7.43 R32.1@38.83,7.8 37.8,8.83 37.8,10 39,11.2 J6.3@39,11.241 ; v1(40.4,6.7) D4.1@41.2,6.7
RS485_RX_B: D4.2 IC8.11 J6.4 R32.2 | length 9.1
  TOP w0.125: IC8.11@37.6,6.3 38.2,6.3 38.5,6.6 v1(39,6.6)
  BTM w0.125: J6.4@41,10.241 41,9.8 39.77,8.57 R32.2@39.77,7.8 39.77,7.37 v1(39,6.6) 39.3,6.3 40.575,6.3 41.25,5.625 41.25,5.15
RS485_TX: IC8.5 IC10.P2 | length 36.3
  TOP w0.125: IC10.P2@28.599,24.6 v1(28.999,25) ; v1(33.575,5.5) 33.675,5.5 34.075,5.9 IC8.5@34.6,5.9
  L2 w0.1: v1(30.1,18.8) 29.933,18.633 29.933,18.099 30.185,17.847 30.675,17.847 30.773,17.946 31.084,17.946 31.306,17.725 39.481,17.725 40.665,16.54 40.665,13.665 39.225,12.225 37.875,12.225 35.05,9.4 35.05,8.3 34.6,7.85 33.725,7.85 33.275,7.4 33.275,5.8 v1(33.575,5.5)
  BTM w0.125: v1(28.999,25) 29.34,24.659 29.34,24.372 29.362,24.35 29.362,23.28 29.337,23.256 29.337,23.142 29.237,23.042 29.237,20.761 30.1,19.899 v1(30.1,18.8)
RS485_TX_Y: D3.2 IC8.9 J6.2 | length 16.5
  TOP w0.125: IC8.9@37.6,5.5 39,5.5 39.9,6.4 39.9,7.086 38.075,8.911 38.075,11.05 37.562,11.563 37.562,11.887 37.875,12.2 J6.2@41,12.2 ; J6.2@41,12.175 J6.2@41,12.2 ; J6.2@41,12.241 J6.2@41,12.2
  BTM w0.125: D3.2@39.15,14.85 39.75,14.85 41,13.6 J6.2@41,12.241
RS485_TX_Z: D3.1 IC8.10 J6.1 | length 16.1
  TOP w0.125: IC8.10@37.6,5.9 38.9,5.9 39.4,6.4 39.4,7.05 37.75,8.7 37.75,10.927 37.075,11.602 37.075,12.175 38.15,13.25 J6.1@39.02,13.25 ; J6.1@39.02,13.22 41.05,15.25 v1(41.05,15.85)
  BTM w0.125: D3.1@41.05,14.45 D3.1@41.05,14.85 ; v1(41.05,15.85) D3.1@41.05,14.85 ; D3.1@41.1,14.9 D3.1@41.05,14.85
SDO0: C75.2 J10.1 | length 4.9
  TOP w0.65: J10.1@8.3,38.025 cw(c8.424,37.901) 8.424,38.076 10.104,38.076 cw(c10.104,36.231) 11.409,37.536 11.994,36.951 ccw(c12.459,37.416) 12.459,36.758 C75.2@12.712,36.758
SDO0_C: C75.1 IC9.27 | length 1.3
  TOP w0.2: C75.1@12.875,37.6 IC9.27@14.15,37.6